# Altium PCB XSensCustomDevKitPCB.PcbDoc
Units mm, origin at the board's own origin, x right, y up, seen from the top; angles counter-clockwise.
Board outline 76 x 96 mm, 4 copper layers (L1 (Signal), L2 (GND), L3 (+3V3), L4 (Signal)), stack 1.57 mm thick; 74 components, 54 nets, 308 pads, 407 vias.
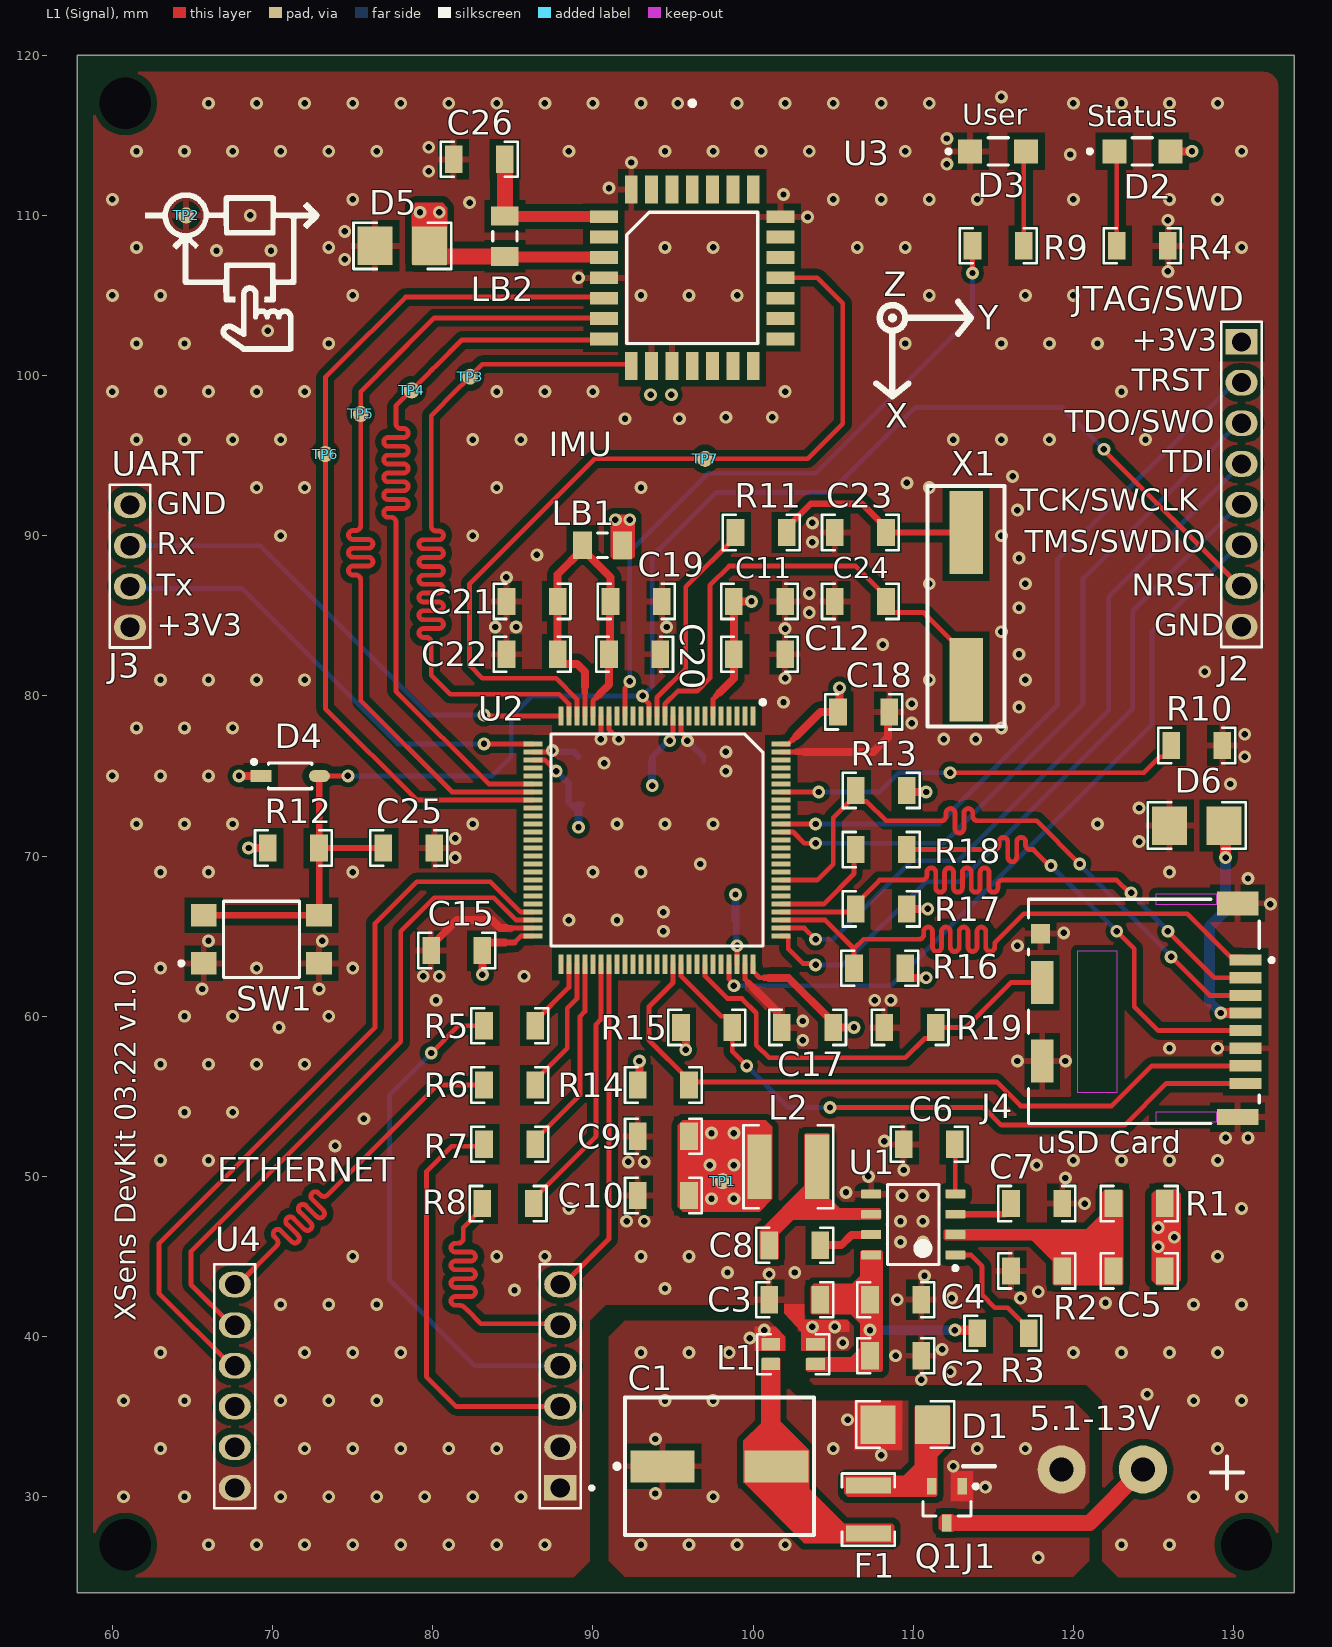
[diagram p0: L1 (Signal) view]
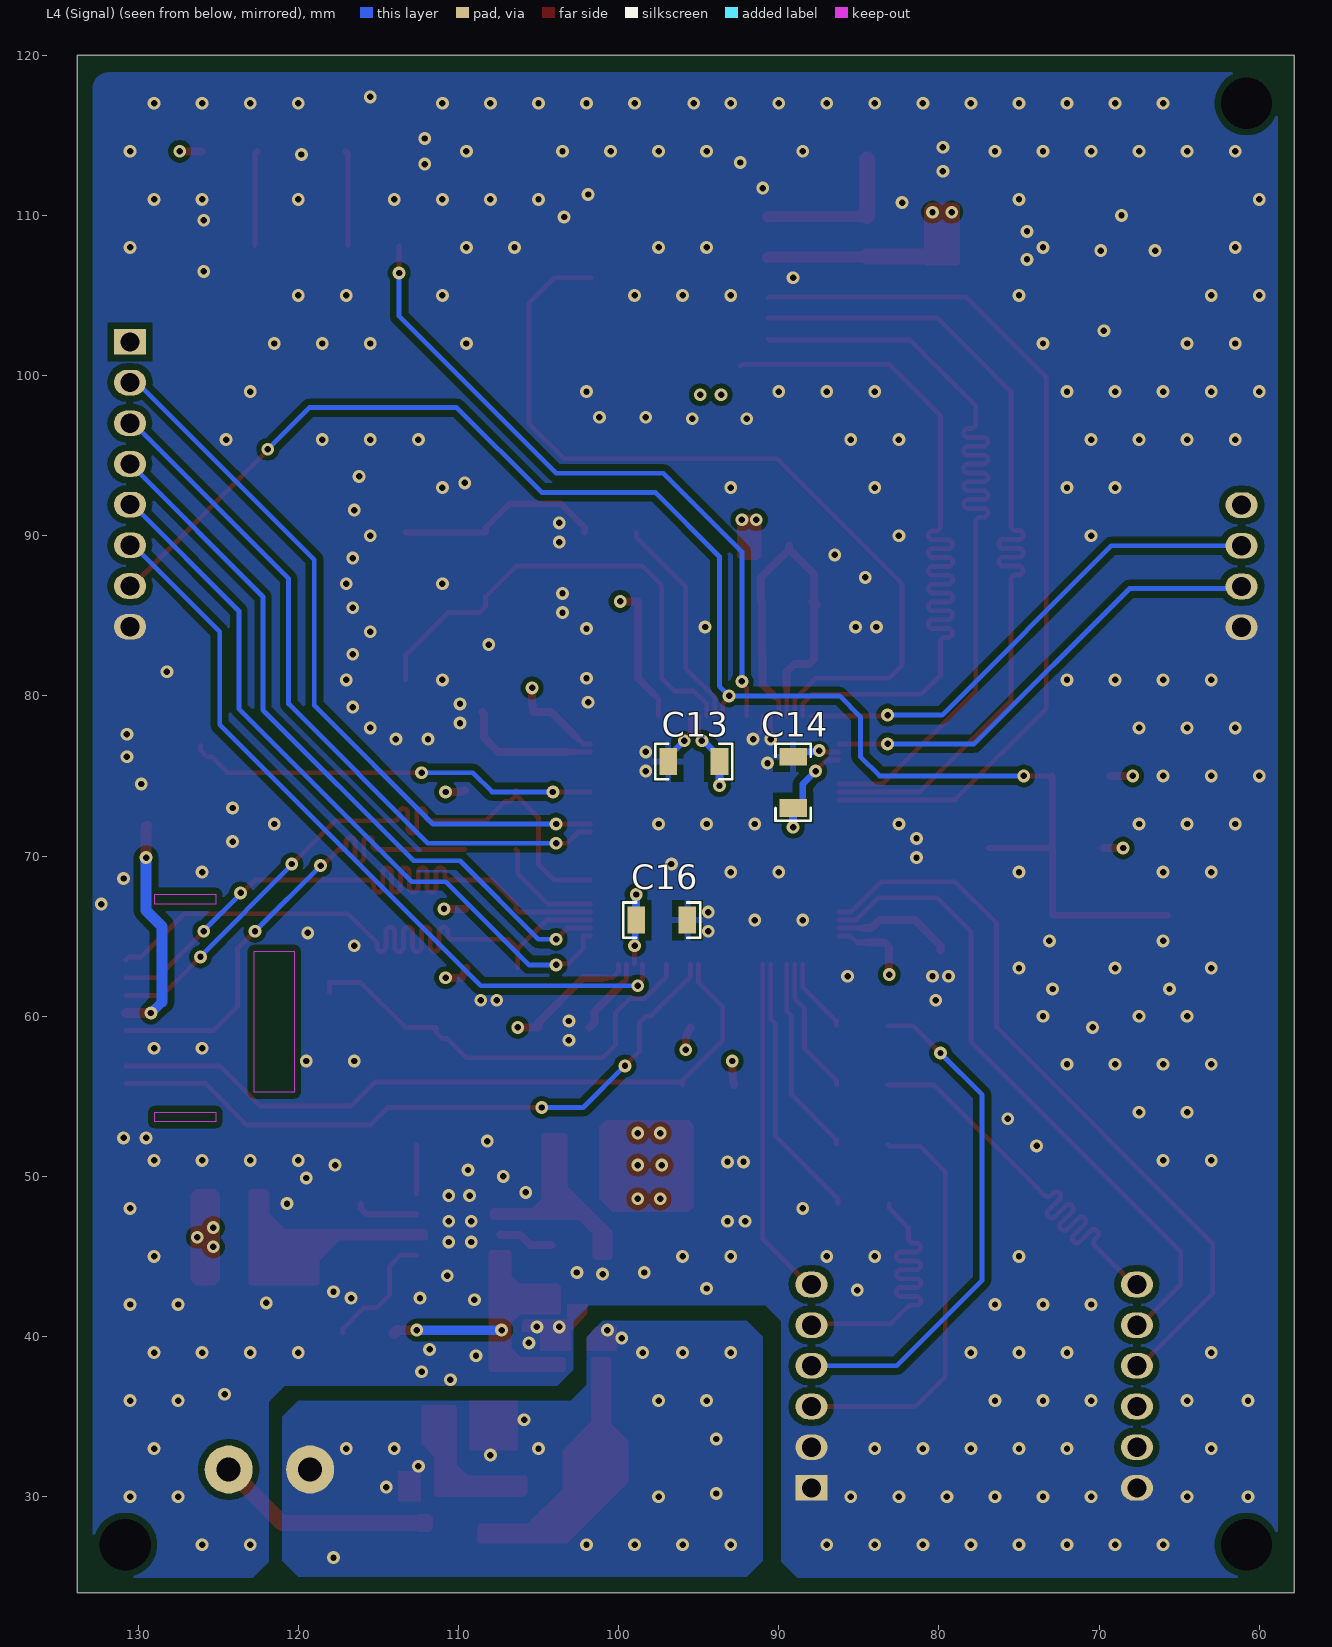
[diagram p1: L4 (Signal) view, seen from below]
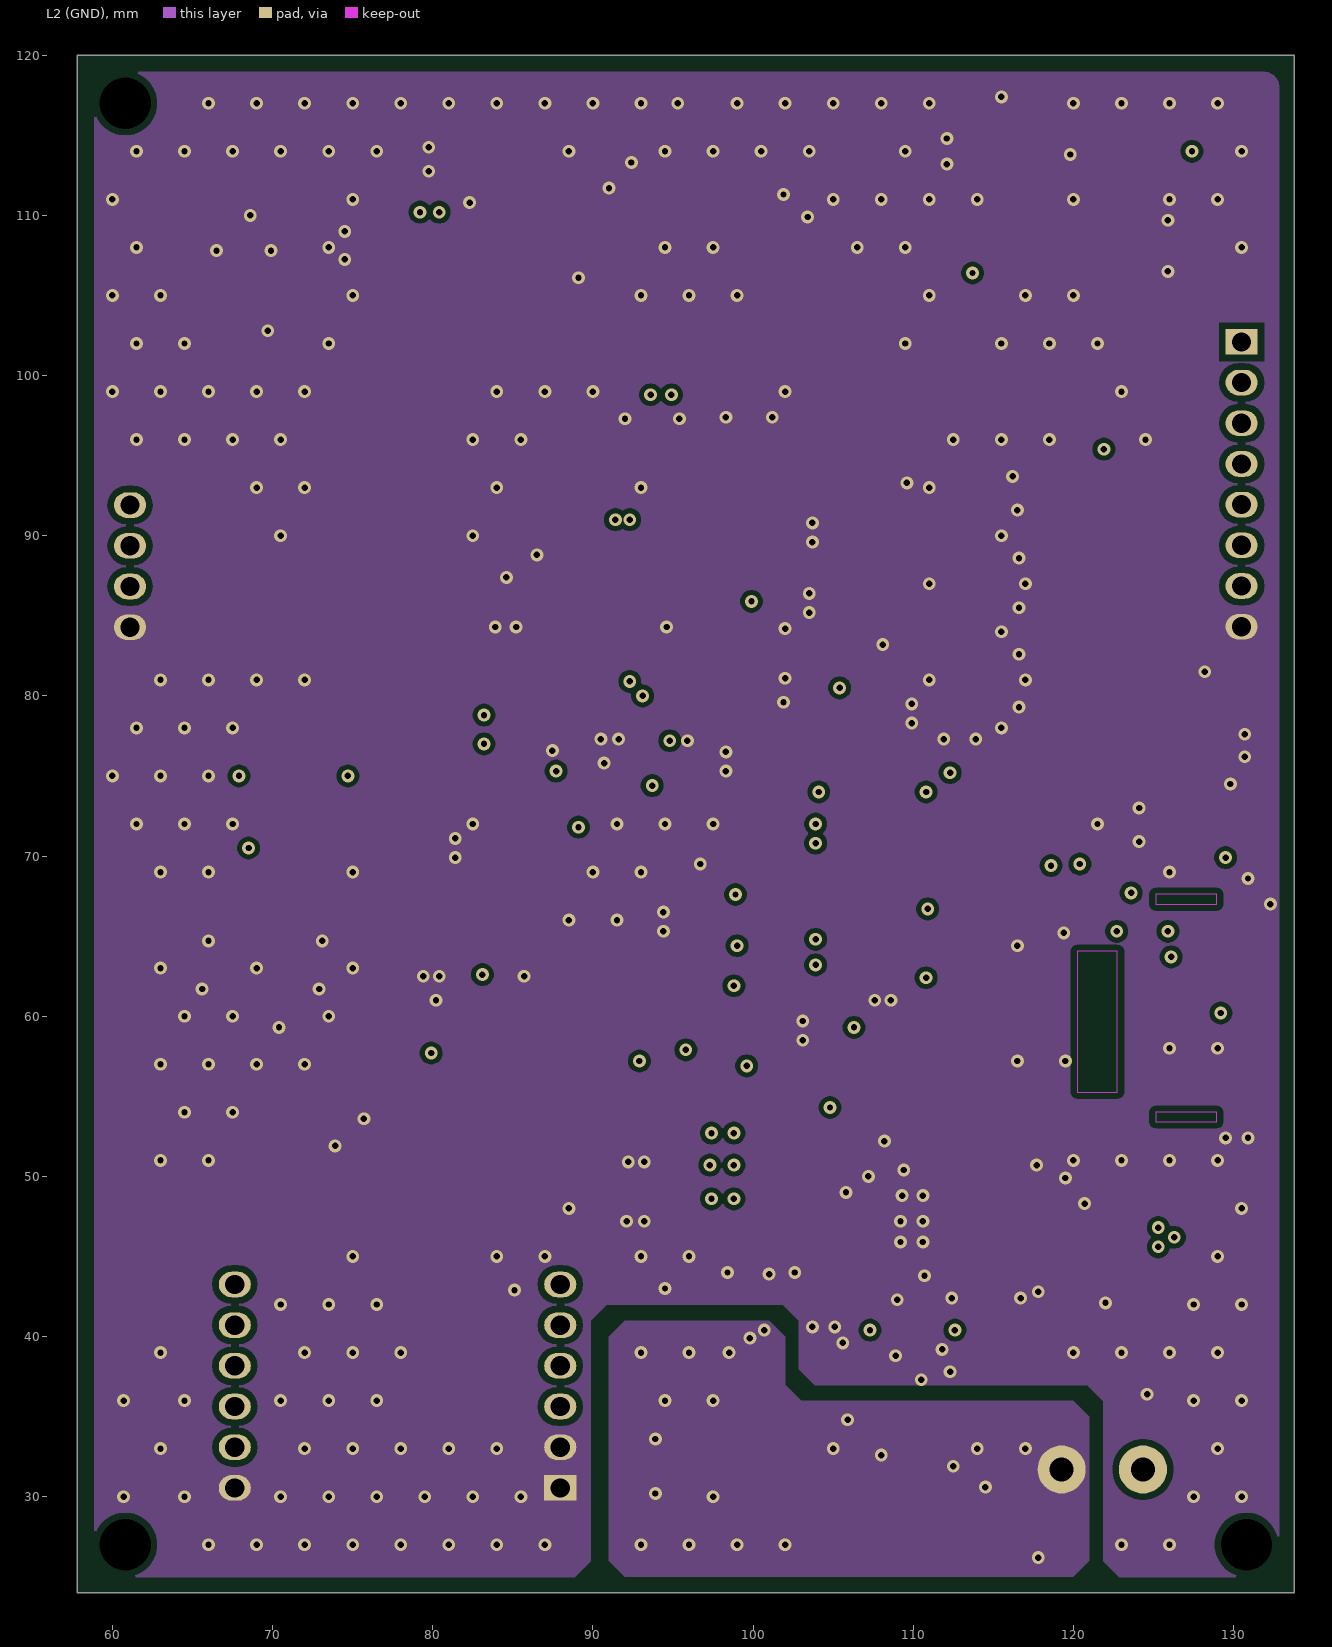
[diagram p2: L2 (GND)]
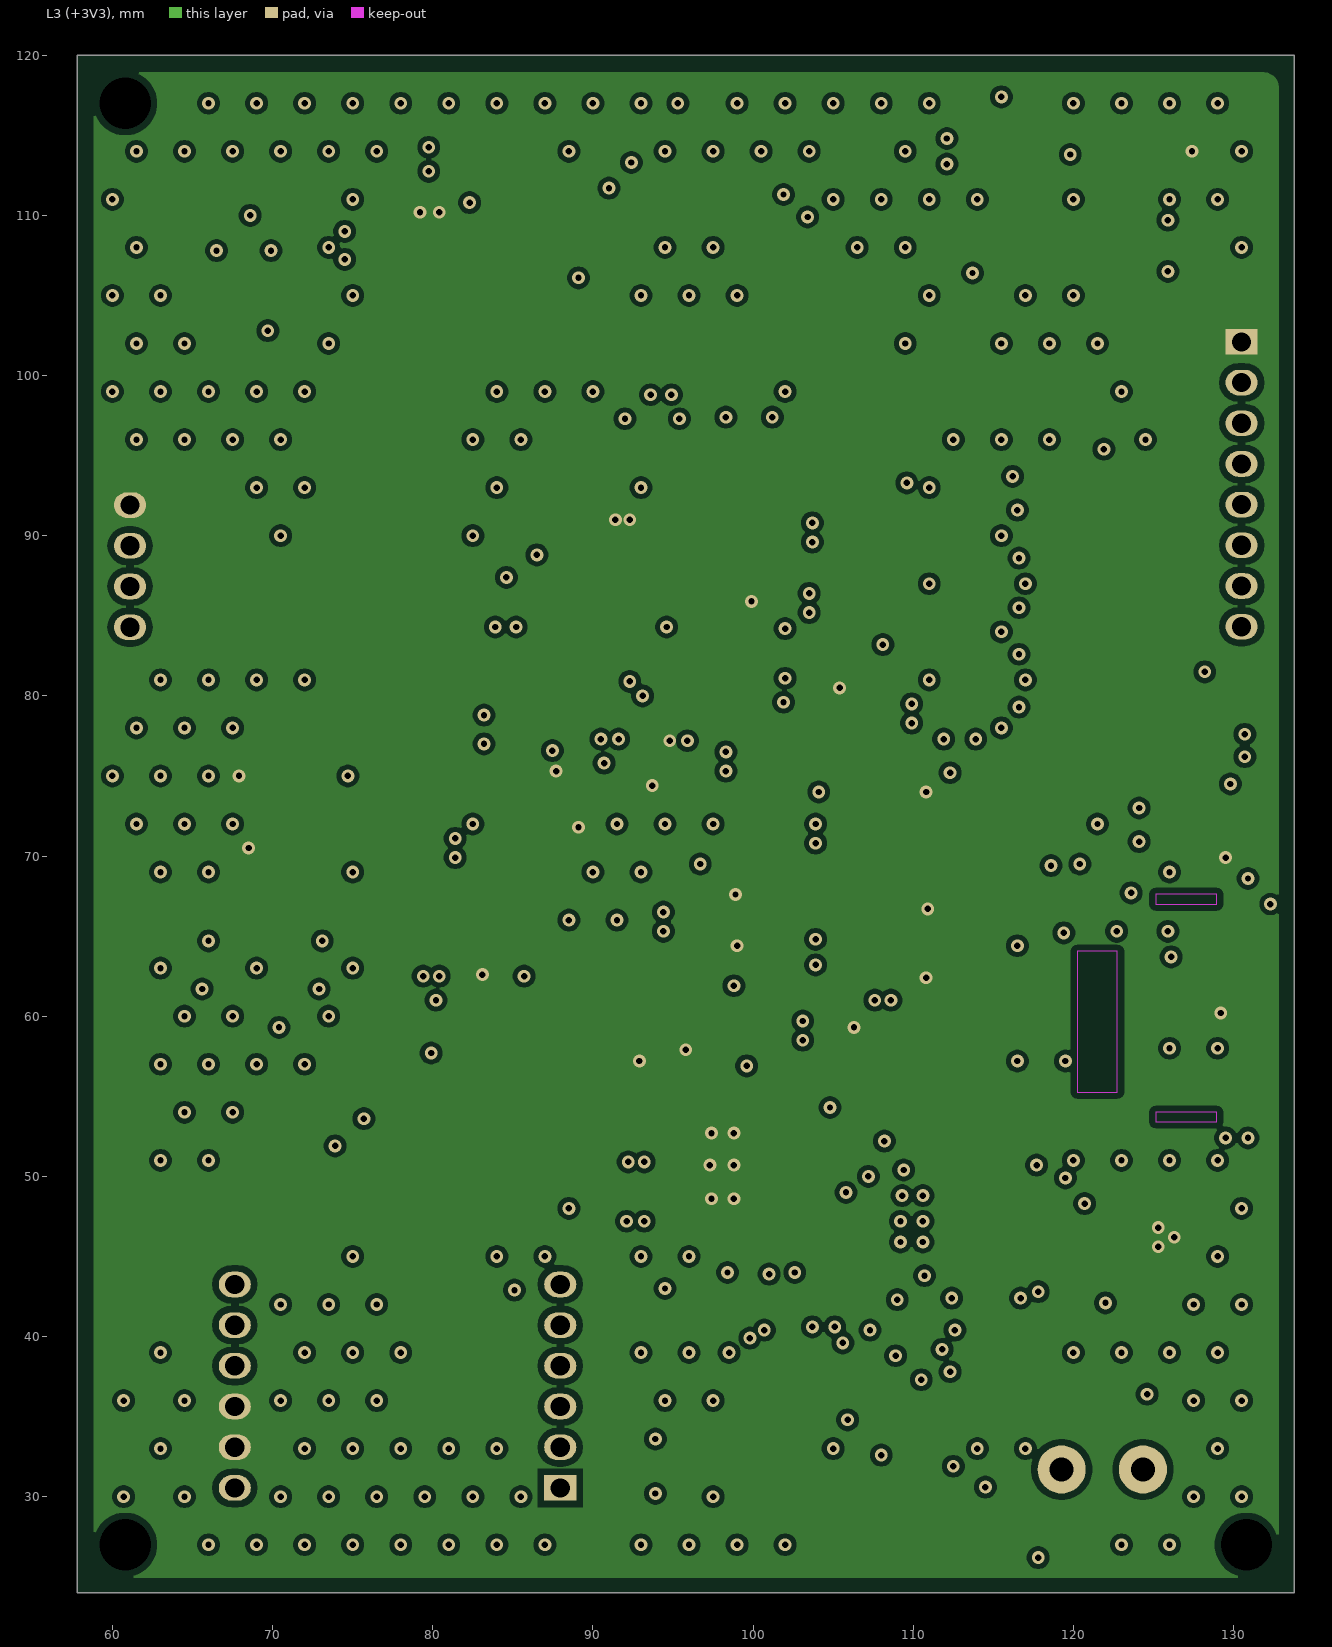
[diagram p3: L3 (+3V3)]

## Layer stack, top to bottom
Top Solder: solder mask 0.0254, SM-001, Dk 4
L1 (Signal): signal copper 0.035
Dielectric 1: prepreg 0.2, PP-017, Dk 4.6
L2 (GND): signal copper 0.0175
Dielectric 3: core 1.065, Core-039, Dk 4.6
L3 (+3V3): signal copper 0.0175
Dielectric 5: prepreg 0.2, PP-017, Dk 4.6
L4 (Signal): signal copper 0.035
Bottom Solder: solder mask 0.0254, SM-001, Dk 4

## Board outline
57.8,24 57.8,120 133.8,120 133.8,24

## Design rules (kind name [scope] priority, off if disabled: settings)
AssemblyTestpoint [All] p1: testpointundercomponent=TRUE minsize=1.016 maxsize=2.54 preferedsize=1.524 minholesize=0 maxholesize=1.6 preferedholesize=0.813 testpointgrid=0.025 usegrid=FALSE gridtolerance=0 allowsidetop=TRUE allowsidebottom=TRUE
Clearance [All] p1: gap=0.2 ignorepadtopadclearanceinfootprint=FALSE except(0.3: Track-Region Via-Poly; 0.4: Arc-Poly Track-Poly SMDPad-Poly THPad-Poly Fill-Poly Poly-Poly Poly-Region Poly-Text Poly-Hole Region-Hole)
FabricationTestpoint [All] p1: side=3 testpointundercomponent=TRUE minsize=1.016 maxsize=2.54 preferedsize=1.524 minholesize=0 maxholesize=1.6 preferedholesize=0.813 testpointgrid=0.025 allowsidetop=TRUE allowsidebottom=TRUE usegrid=FALSE gridtolerance=0
Height [All] p1: minheight=0 maxheight=30 prefheight=12.7
HoleSize [All] p1: absolutevalues=TRUE maxlimit=6.3 minlimit=0.3 maxpercent=80.000 minpercent=20.000
MinimumSolderMaskSliver [All] p1: minsoldermaskwidth=0.2
PolygonConnect [All] p1: thpad.connectstyle=Direct thpad.reliefconductorwidth=0.254 thpad.reliefentries=4 thpad.polygonreliefangle="90 Angle" thpad.airgapwidth=0.254 smdpad.connectstyle=Relief smdpad.reliefconductorwidth=0.4 smdpad.reliefentries=4 smdpad.polygonreliefangle="90 Angle" smdpad.airgapwidth=0.4 via.connectstyle=Direct via.reliefconductorwidth=0.254 via.reliefentries=4 via.polygonreliefangle="90 Angle" via.airgapwidth=0.254
RoutingVias [All] p1: holewidth=0.3 width=0.7 viastyle="Through Hole" minholewidth=0.25 minwidth=0.55 maxholewidth=0.4 maxwidth=0.9
SilkToSilkClearance [All] p1: silktosilkclearance=0.15
SilkToSolderMaskClearance [IsPad] p1: minsilkscreentomaskgap=0.15 clearancetoexposedcopper=TRUE
SolderMaskExpansion [All] p1: expansion=0.102 istentingtop=FALSE
UnRoutedNet [All] p1: checkbadconnections=TRUE
Width [All] p1: maxlimit=1 minlimit=0.2 preferedwidth=0.3 midlayer1_minwidth=0.254 midlayer1_maxwidth=0.254 midlayer1_prefwidth=0.254 midlayer2_minwidth=0.254 midlayer2_maxwidth=0.254 midlayer2_prefwidth=0.254 minimp=50.000000 maximp=50.000000 favimp=50.000000
22 further rules are at their usual default settings.

## Components (designator, comment, footprint, x,y, rotation, side; value= is the part's Value field where it differs from the comment)
C1 "390u/25V" "CAP_ELECTROLYTIC D8" 97.9,31.9 r0 top
C2 "10u/25V" CAP_1206 108.9,38.8 r180 top
C3 "10u/25V" CAP_1206 102.6,42.3 r0 top
C4 "100n/50V" CAP_1206 108.9,42.3 r180 top
C5 "22p/50V" CAP_1206 124.1,44.1 r0 top
C6 "3n3/50V" CAP_1206 111,52 r0 top
C7 "1u/25V" CAP_1206 117.7,48.3 r0 top
C8 "100n/50V" CAP_1206 102.6,45.7 r180 top
C9 "22u/16V" CAP_1206 94.4,52.5 r180 top
C10 "22u/16V" CAP_1206 94.4,48.8 r180 top
C11 "4u7/25V" CAP_1206 100.4,85.9 r180 top
C12 "100n/50V" CAP_1206 100.4,82.6 r180 top
C13 "100n/50V" CAP_1206 95.3,75.9 r180 bottom
C14 "100n/50V" CAP_1206 89.1,74.6 r270 bottom
C15 "100n/50V" CAP_1206 81.5,64.1 r0 top
C16 "100n/50V" CAP_1206 97.3,66 r0 bottom
C17 "100n/50V" CAP_1206 103.4,59.3 r0 top
C18 "100n/50V" CAP_1206 106.9,79 r180 top
C19 "1u/50V" CAP_1206 92.7,85.9 r180 top
C20 "100n/50V" CAP_1206 92.6,82.6 r180 top
C21 "1u/50V" CAP_1206 86.2,85.9 r0 top locked
C22 "10n/50V" CAP_1206 86.2,82.6 r0 top
C23 "27p/100V" CAP_1206 106.7,90.2 r0 top
C24 "27p/100V" CAP_1206 106.7,85.9 r0 top
C25 "100n/50V" CAP_1206 78.5,70.5 r180 top
C26 "470n/50V" CAP_1206 82.9,113.5 r0 top
D1 "13V" TVS_Littlefuse 109.5,34.5 r180 top
D2 "Green LED" FP-LTST-C150KGKT-MFG 124.3,114 r0 top
D3 "Yellow LED" FP-LTST-C150KSKT-MFG 115.3,114 r0 top
D4 "1N4148W" FP-SOD-123-IPC_A 71.1,75 r0 top
D5 "5V" TVS_Littlefuse 78.1,108.1 r180 top
D6 "5V" TVS_Littlefuse 127.7,71.9 r180 top
F1 "500mA" Fuse_1210 107.2,29.2 r270 top
J1 "1x2 Header" "1x2 Header (Terminal Block 5.08mm)" 121.8,27.6 r180 top locked
J2 "1x8 Header" "1x8 Header" 130.5,93.21 r0 top locked
J3 "1x4 Header" "1x4 Header (Goldpin 2.54mm)" 61.1,88.1 r0 top locked
J4 "DM3CS-SF" FP-DM3CS-SF-MFG 124.4,60.3 r90 top
L1 "31nH" CMC-1206USB 102.5,38.9 r180 top
L2 "3u3" IND_DJNR5020-3R3-S 102.2,50.6 r180 top
LB1 "70R@100MHz, 200mA" MURA-BLM31A_L 90.6,89.4 r180 top
LB2 "600R@100MHz, 200mA" MURA-BLM31A_L 84.5,108.7 r90 top
Q1 "BSS314PE" INF-PG-SOT23_N 112.1,29.5 r270 top
R1 "110k" RES_1206 124.1,48.3 r0 top
R2 "33k" RES_1206 117.7,44.1 r180 top
R3 "10k" RES_1206 115.6,40.2 r180 top
R4 "1k" RES_1206 124.3,108.1 r0 top
R5 "10R" RES_1206 84.8,59.4 r0 top
R6 "10R" RES_1206 84.8,55.7 r0 top
R7 "10R" RES_1206 84.8,52 r0 top
R8 "10R" RES_1206 84.7,48.3 r0 top
R9 "1k" RES_1206 115.3,108.1 r0 top
R10 "10k" RES_1206 127.7,76.9 r180 top
R11 "0R" RES_1206 100.5,90.2 r0 top
R12 "10k" RES_1206 71.3,70.5 r180 top
R13 "10k" RES_1206 108,74.1 r0 top
R14 "10k" RES_1206 94.4,55.7 r180 top
R15 "10k" RES_1206 97.1,59.3 r180 top
R16 "10k" RES_1206 107.9,63 r0 top
R17 "10k" RES_1206 108,66.7 r0 top
R18 "10R" RES_1206 108,70.4 r0 top
R19 "1M" RES_1206 109.8,59.3 r180 top
SW1 "TL3305AF260QG" FP-TL3305AF260QG-MFG 69.3,64.8 r0 top
TP1 "TestPoint Pad 1.0mmx1.0mm" "TestPoint Pad 1.0mmx1.0mm" 98.1,49.7 r0 top
TP2 "TestPoint Pad 1.0mmx1.0mm" "TestPoint Pad 1.0mmx1.0mm" 64.6,110 r90 top
TP3 "TestPoint Pad 1.0mmx1.0mm" "TestPoint Pad 1.0mmx1.0mm" 82.325,99.925 r90 top
TP4 "TestPoint Pad 1.0mmx1.0mm" "TestPoint Pad 1.0mmx1.0mm" 78.675,99.075 r90 top
TP5 "TestPoint Pad 1.0mmx1.0mm" "TestPoint Pad 1.0mmx1.0mm" 75.5,97.6 r90 top
TP6 "TestPoint Pad 1.0mmx1.0mm" "TestPoint Pad 1.0mmx1.0mm" 73.3,95.1 r90 top
TP7 "TestPoint Pad 1.0mmx1.0mm" "TestPoint Pad 1.0mmx1.0mm" 97,94.8 r90 top
U1 "TPS54228D" D0008A_L 110,47 r180 top
U2 "STM32L433VC" LQFP100 94,71 r270 top
U3 "Xsens MTi-1" "PLCC-28SMD 1.27MM NINIGI" 96.2,106.1 r0 top
U4 "WIZ820io" "2x6 Header - 20.32 gap" 77.8,36.9 r180 top locked
X1 "8Mhz (18pF)" XTAL-12.5x4.8 113.3,85.6 r270 top

## Footprints (in the part's own frame and the unit in brackets; to place one, negate y for a bottom-side part, rotate by r counter-clockwise, add the part's x,y. Pads: shape width x height; smd on the part's side, far side on the other; paste and mask are expansions set on the pad)
"1x2 Header (Terminal Block 5.08mm)" [mm] "1x2 Header (Terminal Block 5.08mm)"
  round 3 hole 1.5 mask+0.2: 1(-2.54,-4.1) 2(2.54,-4.1)
  body extent -5.99,-6 5.99,6, height 8.5
"1x4 Header (Goldpin 2.54mm)" [mm] "1x4 Header (Goldpin 2.54mm)"
  oval 2x1.6 hole 1.2 mask+0.2: 1(0,3.81) 2(0,1.27) 3(0,-1.27) 4(0,-3.81)
  silkscreen extent -1.27,-5.08 1.27,5.08, body extent -1.27,-5.08 1.27,5.08, height 9.5
"1x8 Header" [mm]
  rect 2x1.6 hole 1.2 mask+0.2: 1(0,8.89)
  oval 2x1.6 hole 1.2 mask+0.2: 2(0,6.35) 3(0,3.81) 4(0,1.27) 5(0,-1.27) 6(0,-3.81) 7(0,-6.35) 8(0,-8.89)
  silkscreen extent -1.27,-10.16 1.27,10.16, body extent -1.23,-10.25 1.31,10.07, height 9.5
"2x6 Header - 20.32 gap" [mm]
  rect 2x1.6 hole 1.2 mask+0.2: 1(-10.16,6.35)
  oval 2x1.6 hole 1.2 mask+0.2: 2(-10.16,3.81) 3(-10.16,1.27) 4(-10.16,-1.27) 5(-10.16,-3.81) 6(-10.16,-6.35) 7(10.16,-6.35) 8(10.16,-3.81) 9(10.16,-1.27) 10(10.16,1.27) 11(10.16,3.81) 12(10.16,6.35)
  silkscreen extent -12.15,-7.62 11.43,7.62, body extent -11.5,-12.15 11.5,15.35, height 19.61
CAP_1206 [mm]
  rect 1.1x1.7 smd: 1(-1.6,0) 2(1.6,0)
  silkscreen extent -2.4,-1.1 2.4,1.1, body extent -1.6,-0.78 1.6,0.78, height 1.63
"CAP_ELECTROLYTIC D8" [mm]
  rect 4x2 smd: 1(-3.55,0) 2(3.55,0)
  silkscreen extent -6.54,-4.3 5.9,4.3, body extent -4.85,-4.15 4.85,4.15, height 8.5
CMC-1206USB [mm]
  rect 1.17x0.76 smd: 1(1.4,0.62) 2(-1.4,0.62) 3(-1.4,-0.62) 4(1.4,-0.62)
  silkscreen extent -2.25,-1.25 2.25,1.25, body extent -1.66,-0.86 1.66,0.86, height 1.93
D0008A_L [mm] "SOIC, 8-Leads, Body 5x4mm, Pitch 1.27mm, IPC High Density"
  rrect18% 1.25x0.55 smd: 1(-2.625,1.905) 2(-2.625,0.635) 3(-2.625,-0.635) 4(-2.625,-1.905) 5(2.625,-1.905) 6(2.625,-0.635) 7(2.625,0.635) 8(2.625,1.905)
  silkscreen extent -2.75,-2.5 1.6,2.85, body extent -3,-2.45 3,2.45, height 1.63
FP-DM3CS-SF-MFG [mm]
  rect 0.7x2 smd paste+0 mask+0: 1(3.2,-6.35) 2(2.1,-6.35) 3(1,-6.35) 4(-0.1,-6.35) 5(-1.2,-6.35) 6(-2.3,-6.35) 7(-3.4,-6.35) 8(-4.5,-6.35)
  rect 2.7x1.4 smd paste+0 mask+0: 9(-3.1,6.35) 10(1.8,6.35)
  rect 1.2x1.2 smd paste+0 mask+0: 11(4.85,6.45)
  rect 1x2.6 smd paste+0 mask+0: 12(-6.6,-5.85)
  rect 1.5x2.6 smd paste+0 mask+0: 13(6.75,-5.85)
  Keep-Out Layer region: -6.9,-4.55 -6.3,-4.55 -6.3,-0.75 -6.9,-0.75
  Keep-Out Layer region: 6.7,-4.55 7.3,-4.55 7.3,-0.75 6.7,-0.75
  Keep-Out Layer region: -5.05,1.65 3.75,1.65 3.75,4.15 -5.05,4.15
  silkscreen extent -7,-8.1 7,7.2, body extent -7.2,-7.45 7.6,7.3, height 0.25
FP-LTST-C150KGKT-MFG [mm]
  rect 1.5x1.5 smd paste+0 mask+0: 1(-1.75,0) 2(1.75,0)
  silkscreen extent -3.4,-0.85 0.63,0.85, body extent -2.6,-0.95 2.6,0.95, height 0.25
FP-LTST-C150KSKT-MFG [mm]
  rect 1.5x1.5 smd paste+0 mask+0: 1(-1.75,0) 2(1.75,0)
  silkscreen extent -3.22,-0.85 0.63,0.85, body extent -2.6,-0.95 2.6,0.95, height 0.25
FP-SOD-123-IPC_A [mm]
  rect 1.308x0.762 smd paste+0 mask+0: 1(-1.825,0)
  rrect100% 1.308x0.762 smd paste+0 mask+0: 2(1.825,0)
  silkscreen extent -2.39,-0.8 1.35,1.01, body extent -2.98,-1.3 2.98,1.3, height 0.25
FP-TL3305AF260QG-MFG [mm]
  rect 1.6x1.4 smd paste+0 mask+0: 1(-3.6,-1.5) 2(3.6,-1.5) 3(-3.6,1.5) 4(3.6,1.5)
  silkscreen extent -5.12,-2.37 2.37,2.37, body extent -4.5,-2.47 4.5,2.47, height 0.25
Fuse_1210 [mm] "Fuse 0ZCH0050FF2G 500mA 16V"
  rect 1x2.8 smd: 1(-1.5,0) 2(1.5,0)
  silkscreen extent -2.25,-1.65 2.25,1.65, body extent -1.7,-1.3 1.7,1.3, height 0.71
IND_DJNR5020-3R3-S [mm]
  rect 1.5x4 smd: 1(-1.8,0) 2(1.8,0)
  silkscreen extent -2.8,-2.6 2.8,2.6, body extent -2.45,-2.45 2.45,2.45, height 2.9
INF-PG-SOT23_N [mm] "SOT23, 3-Leads, Body 2.9x1.3mm, Pitch 0.95mm, IPC Medium Density"
  rect 1.05x0.6 smd: 1(-1.15,0.95) 2(-1.15,-0.95) 3(1.15,0)
  silkscreen extent -1.27,-1.5 0.7,1.93, body extent -0.7,-1.5 0.7,1.5, height 1.1
LQFP100 [mm] "LQFP100"
  rect 1.2x0.3 smd mask+0.05: 1(-7.75,6) 2(-7.75,5.5) 3(-7.75,5) 4(-7.75,4.5) 5(-7.75,4) 6(-7.75,3.5) 7(-7.75,3) 8(-7.75,2.5) 9(-7.75,2) 10(-7.75,1.5) 11(-7.75,1) 12(-7.75,0.5) 13(-7.75,0) 14(-7.75,-0.5) 15(-7.75,-1) 16(-7.75,-1.5) 17(-7.75,-2) 18(-7.75,-2.5) 19(-7.75,-3) 20(-7.75,-3.5) 21(-7.75,-4) 22(-7.75,-4.5) 23(-7.75,-5) 24(-7.75,-5.5) 25(-7.75,-6) 51(7.75,-6) 52(7.75,-5.5) 53(7.75,-5) 54(7.75,-4.5) 55(7.75,-4) 56(7.75,-3.5) 57(7.75,-3) 58(7.75,-2.5) 59(7.75,-2) 60(7.75,-1.5) 61(7.75,-1) 62(7.75,-0.5) 63(7.75,0) 64(7.75,0.5) 65(7.75,1) 66(7.75,1.5) 67(7.75,2) 68(7.75,2.5) 69(7.75,3) 70(7.75,3.5) 71(7.75,4) 72(7.75,4.5) 73(7.75,5) 74(7.75,5.5) 75(7.75,6)
  rect 0.3x1.2 smd mask+0.05: 26(-6,-7.75) 27(-5.5,-7.75) 28(-5,-7.75) 29(-4.5,-7.75) 30(-4,-7.75) 31(-3.5,-7.75) 32(-3,-7.75) 33(-2.5,-7.75) 34(-2,-7.75) 35(-1.5,-7.75) 36(-1,-7.75) 37(-0.5,-7.75) 38(0,-7.75) 39(0.5,-7.75) 40(1,-7.75) 41(1.5,-7.75) 42(2,-7.75) 43(2.5,-7.75) 44(3,-7.75) 45(3.5,-7.75) 46(4,-7.75) 47(4.5,-7.75) 48(5,-7.75) 49(5.5,-7.75) 50(6,-7.75) 76(6,7.75) 77(5.5,7.75) 78(5,7.75) 79(4.5,7.75) 80(4,7.75) 81(3.5,7.75) 82(3,7.75) 83(2.5,7.75) 84(2,7.75) 85(1.5,7.75) 86(1,7.75) 87(0.5,7.75) 88(0,7.75) 89(-0.5,7.75) 90(-1,7.75) 91(-1.5,7.75) 92(-2,7.75) 93(-2.5,7.75) 94(-3,7.75) 95(-3.5,7.75) 96(-4,7.75) 97(-4.5,7.75) 98(-5,7.75) 99(-5.5,7.75) 100(-6,7.75)
  silkscreen extent -8.62,-6.61 6.61,6.63, body extent -8,-8 8,8, height 1.6
MURA-BLM31A_L [mm] "Chip Inductor, 2-Leads, Body 3.40x1.80mm, IPC High Density"
  rect 1.19x1.72 smd: 1(-1.255,0) 2(1.255,0)
  silkscreen extent -0.3,-0.76 0.3,0.76, body extent -1.7,-0.9 1.7,0.9, height 1.3
"PLCC-28SMD 1.27MM NINIGI" [mm] "PLCC-28SMD 1.27MM NINIGI"
  rect 0.8x1.76 smd: 1(0,5.51) 2(-1.27,5.51) 3(-2.54,5.51) 4(-3.81,5.51) 12(-3.81,-5.51) 13(-2.54,-5.51) 14(-1.27,-5.51) 15(0,-5.51) 16(1.27,-5.51) 17(2.54,-5.51) 18(3.81,-5.51) 26(3.81,5.51) 27(2.54,5.51) 28(1.27,5.51)